# Altium PCB Scope.PcbDoc
Units mil, origin at the board's own origin, x right, y up, seen from the top; angles counter-clockwise.
Board outline 1496.06 x 1489.57 mil, 2 copper layers (Top Layer, Bottom Layer), stack 38.548 mil thick; 129 components, 82 nets, 426 pads, 166 vias.
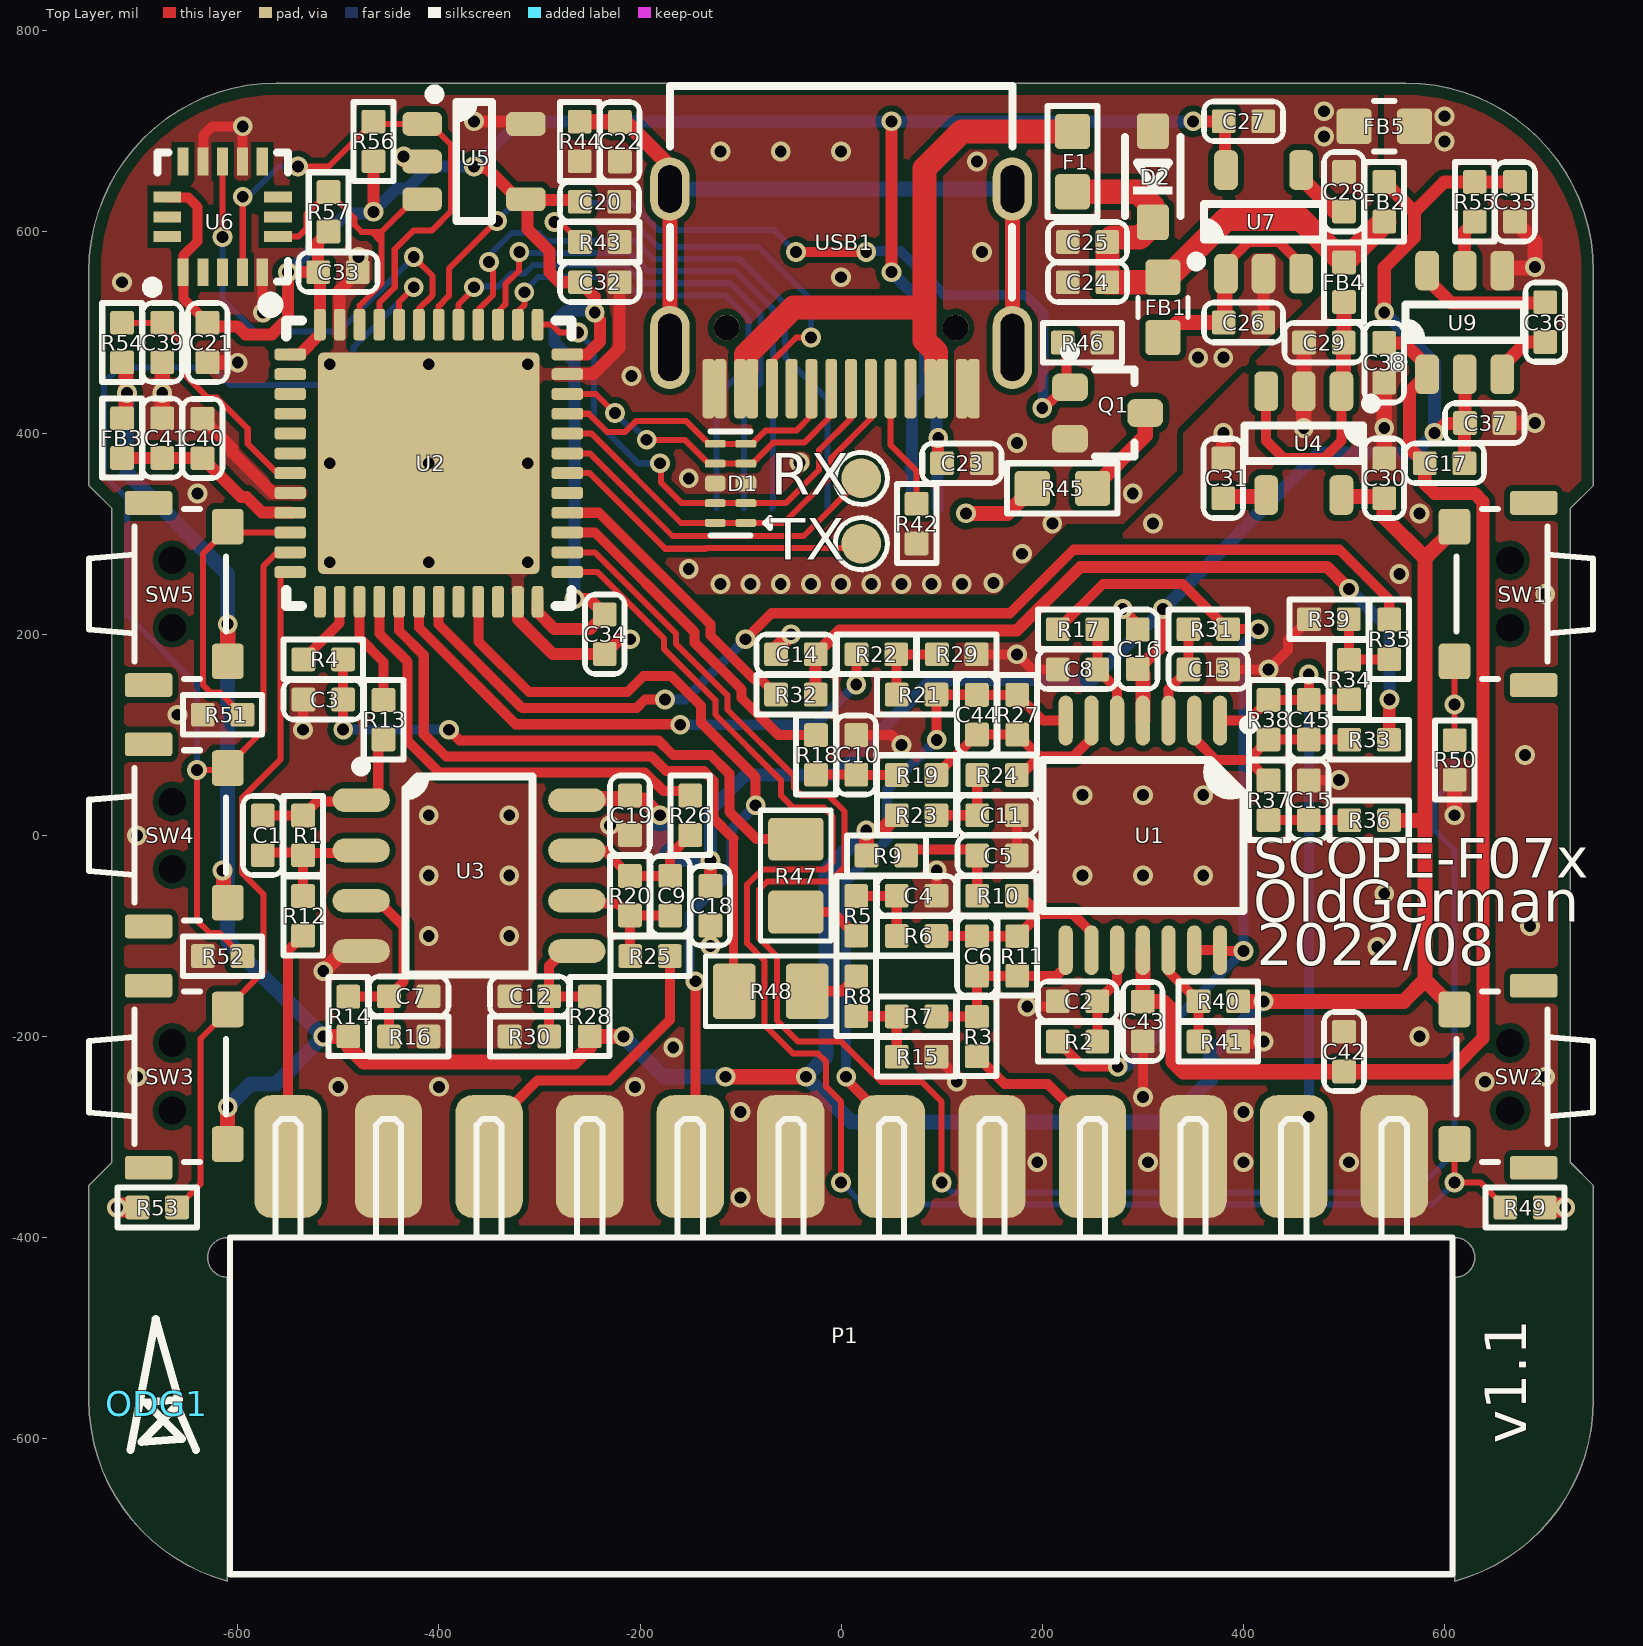
[diagram p0: Top Layer view]
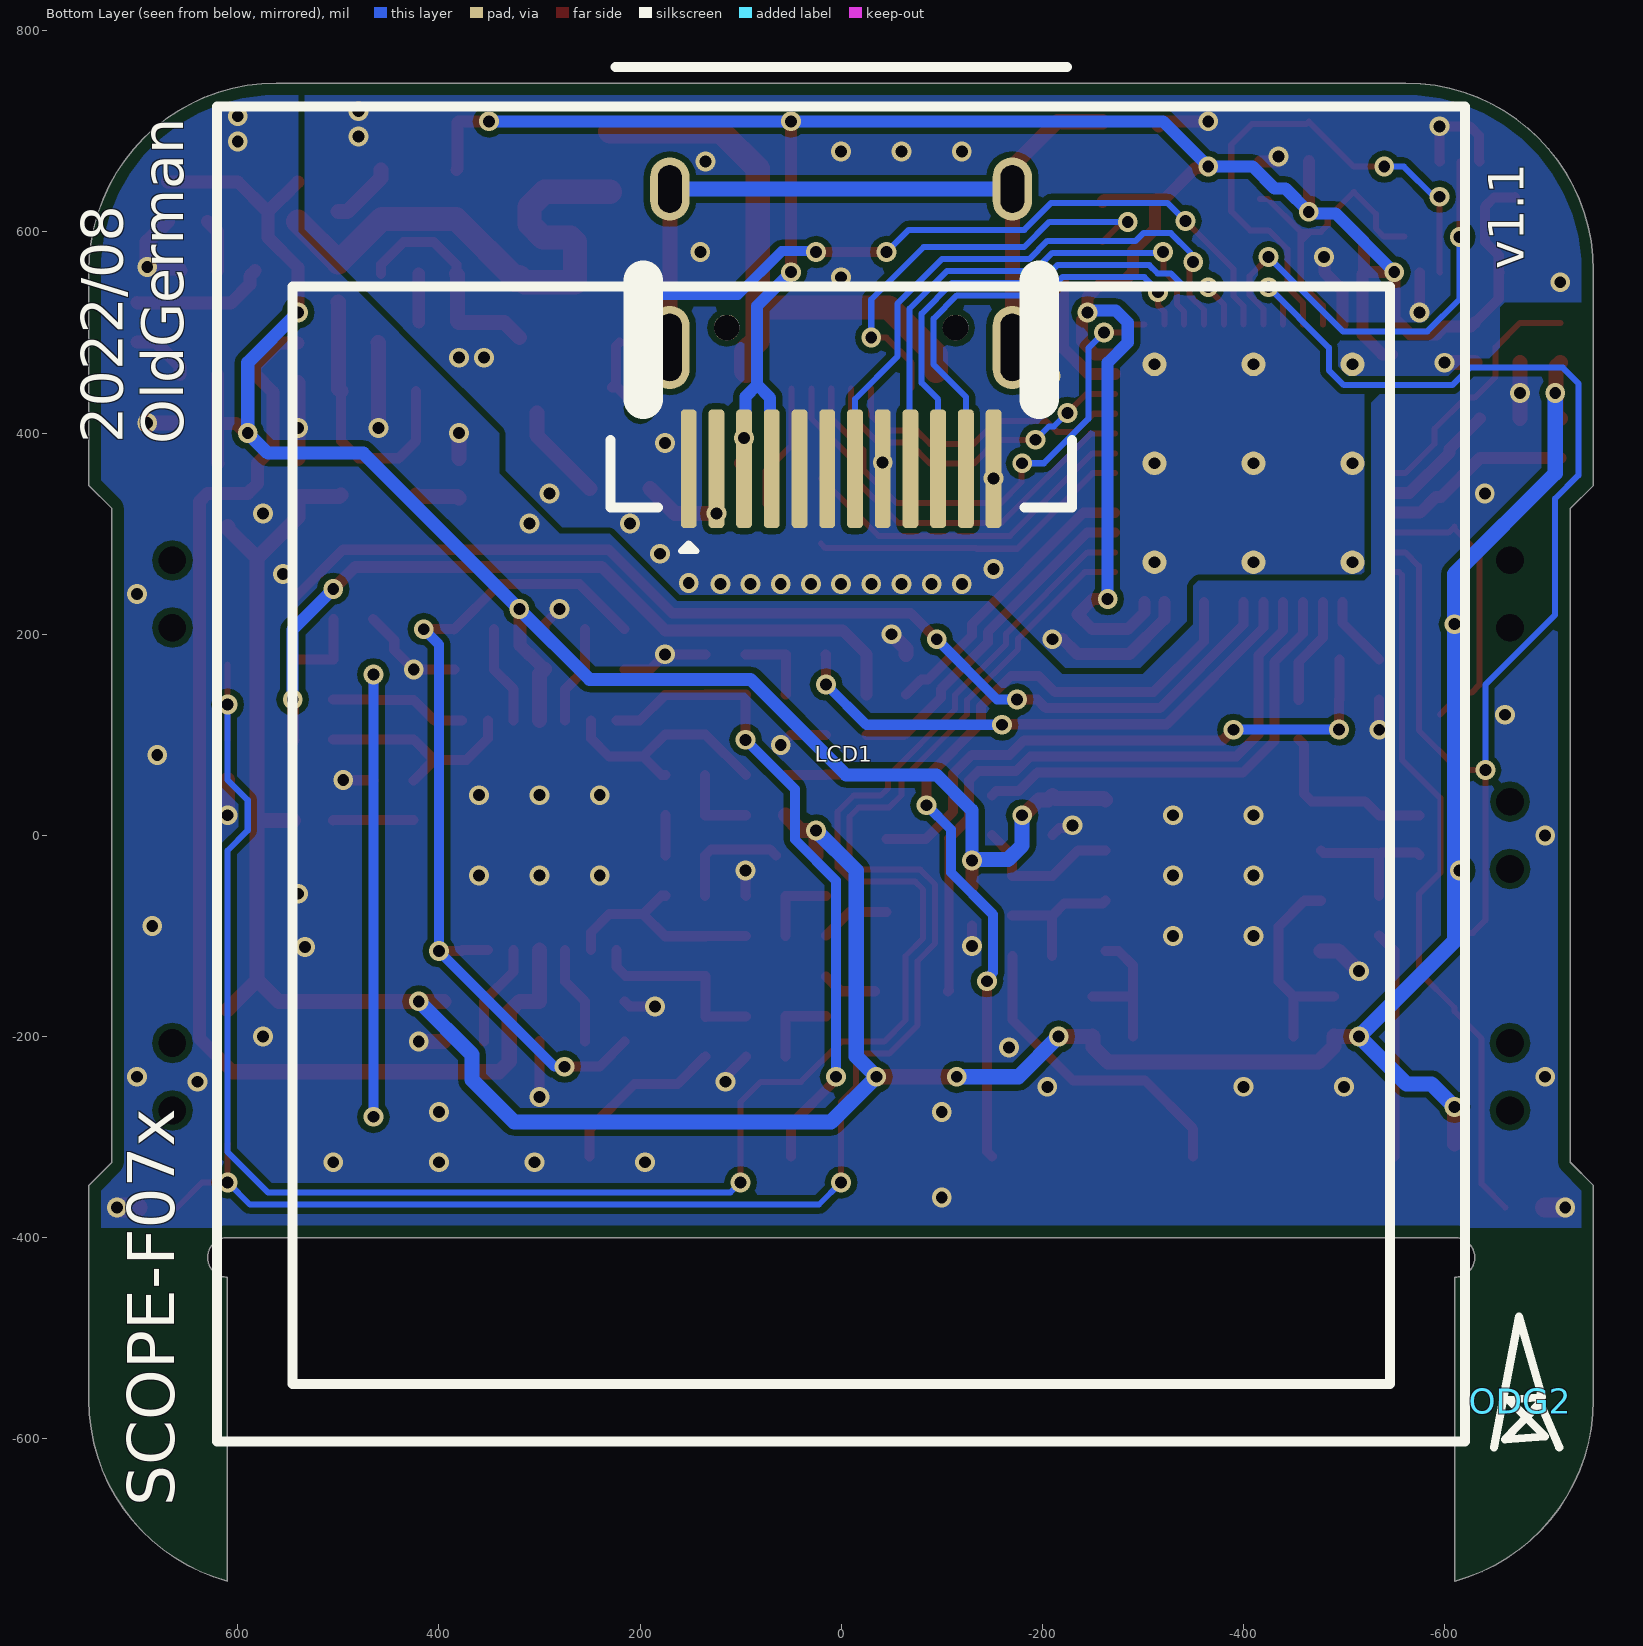
[diagram p1: Bottom Layer view, seen from below]
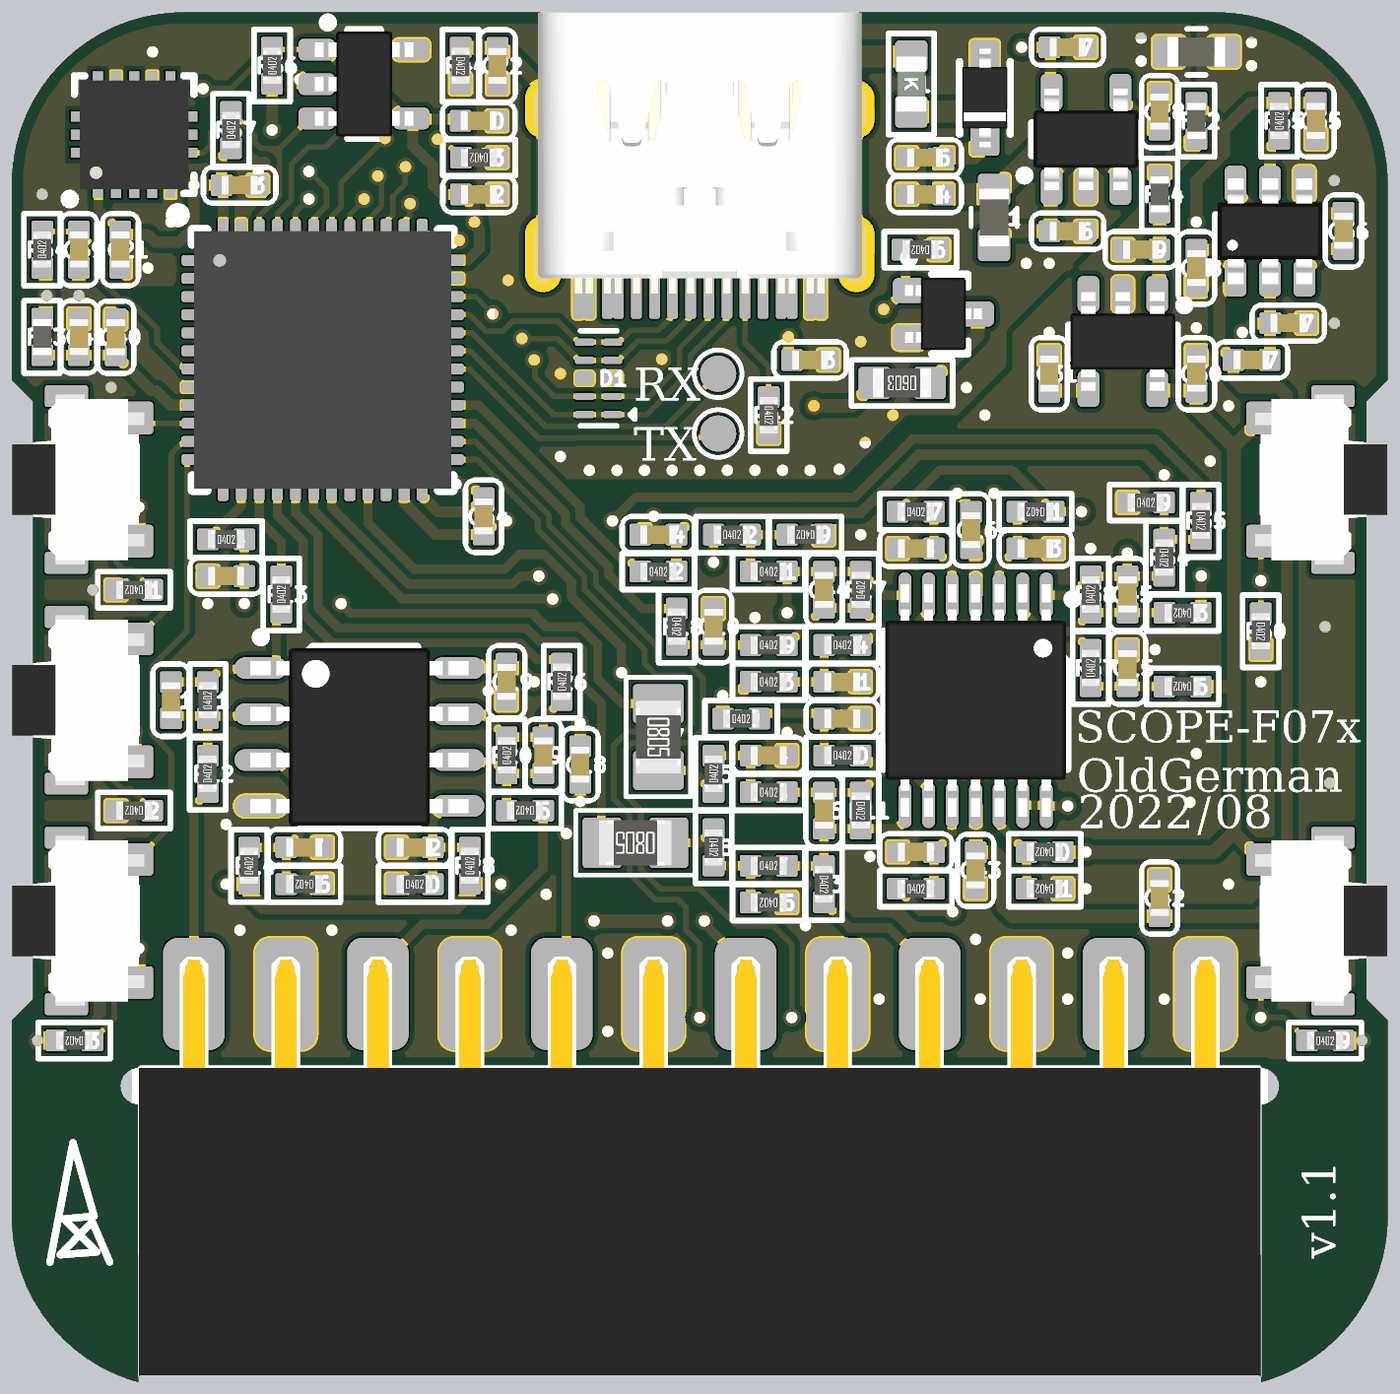
[diagram p2: 3D render of the assembled board from above, using the file's embedded part models]

## Layer stack, top to bottom
Top Solder: solder mask 0.4, Solder Resist, Dk 3.5
Top Layer: signal copper 1.4
Dielectric 1: dielectric 35.748, FR-4, Dk 4.8
Bottom Layer: signal copper 1.4
Bottom Solder: solder mask 0.4, Solder Resist, Dk 3.5

## Board outline
-610.24,-741.54 -610.24,-439.37 cw(c-610.24,-419.68) -610.24,-400 610.24,-400 cw(c610.24,-419.68) 610.24,-439.37 610.24,-741.54 ccw(c561.46,-561.46) 748.03,-561.42 748.03,-348.03 725,-325 725,325 748.03,348.03 748.03,561.42 ccw(c561.46,561.46) 561.42,748.03 -561.42,748.03 ccw(c-561.46,561.46) -748.03,561.42 -748.03,348.03 -725,325 -725,-325 -748.03,-348.03 -748.03,-561.42 ccw(c-561.46,-561.46)

## Design rules (kind name [scope] priority, off if disabled: settings)
BoardOutlineClearance [All] p1: gap=0 ignorepadtopadclearanceinfootprint=FALSE except(12: Poly-OutlineEdge Poly-CavityEdge Poly-CutoutEdge Poly-SplitBarrior Poly-SplitContinuation)
Clearance [All] p1: gap=6 ignorepadtopadclearanceinfootprint=FALSE except(0: Arc-Hole Track-Hole SMDPad-Hole THPad-Hole Via-Hole Fill-Hole Poly-Hole Region-Hole Text-Hole)
MinimumSolderMaskSliver [All] p1: minsoldermaskwidth=0
PolygonConnect [All] p1: connectstyle=Direct reliefconductorwidth=10 reliefentries=4 polygonreliefangle="90 Angle" airgapwidth=10
RoutingVias [All] p1: holewidth=11.81 width=19.68 viastyle="Through Hole" minholewidth=11.81 minwidth=19.68 maxholewidth=50 maxwidth=50
SilkToSilkClearance [All] p1: silktosilkclearance=0
SilkToSolderMaskClearance [IsPad] p1: minsilkscreentomaskgap=0 clearancetoexposedcopper=TRUE
SolderMaskExpansion [All] p1: expansion=2
Width [All] p1: maxlimit=100 minlimit=6 preferedwidth=6
27 further rules are at their usual default settings.

## Components (designator, comment, footprint, x,y, rotation, side; value= is the part's Value field where it differs from the comment)
C1 "0.5pF" C0402 -575,0 r270 top value=0.1u
C2 "1uF" C0402 235,-165 r180 top value=0.1u
C3 "150pF" C0402 -515,135 r0 top value=0.1u
C4 "150pF" C0402 75,-60 r180 top value=0.1u
C5 "1uF" C0402 155,-20 r180 top value=0.1u
C6 "39pF" C0402 135,-120 r90 top value=0.1u
C7 "4.7uF" C0402 -430,-160 r180 top value=0.1u
C8 "1uF" C0402 235,165 r180 top value=0.1u
C9 "0.5pF" C0402 -170,-60 r270 top value=0.1u
C10 "1uF" C0402 15,80 r270 top value=0.1u
C11 "1uF" C0402 155,20 r180 top value=0.1u
C12 "4.7uF" C0402 -310,-160 r0 top value=0.1u
C13 "1uF" C0402 365,165 r0 top value=0.1u
C14 "1uF" C0402 -45,180 r0 top value=0.1u
C15 "1uF" C0402 465,35 r270 top value=0.1u
C16 "100nF" C0402 295,185 r270 top value=0.1u
C17 "100nF" C0402 600,370 r0 top value=0.1u
C18 "10uF" C0402 -130,-70 r90 top value=0.1u
C19 "100nF" C0402 -210,20 r90 top value=0.1u
C20 "100nF" C0402 -240.32,630 r0 top value=0.1u
C21 "10uF" C0402 -630,490 r270 top value=0.1u
C22 "4.7nF" C0402 -220,689.69 r270 top value=0.1u
C23 "100nF" C0402 120,370 r180 top value=0.1u
C24 "10uF" C0402 245,550 r180 top value=0.1u
C25 "1uF" C0402 245,590 r180 top value=0.1u
C26 "10uF" C0402 400,510 r0 top value=0.1u
C27 "10uF" C0402 400,710 r0 top value=0.1u
C28 "DNP" C0402 500,640 r90 top value=0.1u
C29 "10uF" C0402 480,490 r180 top value=0.1u
C30 "10uF" C0402 540,355 r90 top value=0.1u
C31 "22nF" C0402 380,355 r90 top value=0.1u
C32 "100nF" C0402 -240,550 r0 top value=0.1u
C33 "100nF" C0402 -500.32,560 r0 top value=0.1u
C34 "100nF" C0402 -235,200 r270 top value=0.1u
C35 "10uF" C0402 670,630 r90 top value=0.1u
C36 "4.7uF" C0402 700,510.31 r90 top value=0.1u
C37 "4.7uF" C0402 640,410 r0 top value=0.1u
C38 "4.7uF" C0402 540,470 r270 top value=0.1u
C39 "100nF" C0402 -675,490 r270 top value=0.1u
C40 "1uF" C0402 -635,394.69 r90 top value=0.1u
C41 "10uF" C0402 -675,395 r90 top value=0.1u
C42 "10uF" C0402 500,-215 r270 top value=0.1u
C43 "100nF" C0402 300,-185 r90 top value=0.1u
C44 "DNP" C0402 135,120 r270 top value=0.1u
C45 "DNP" C0402 465,115 r270 top value=0.1u
D1 "PESD1LVDS" DFN2510-10_SOT1165-1 -110,350 r90 top
D2 "SD05" SOD-323 310,655 r270 top
F1 "6V/500mA" FUSE0603_0.5MM 230,670 r270 top
FB1 "330R @100MHz" FER0603 320,525 r270 top
FB2 "220R @100MHz" FER0402 540,630 r270 top
FB3 "220R @100MHz" FER0402 -715,395 r270 top
FB4 "220R @100MHz" FER0402 500,550 r270 top
FB5 "330R @100MHz" FER0603 540,705 r0 top
LCD1 "LCD_240x240" LCD-240X240-1.54INCH_FLUSH_FRONT 0,0 r0 bottom locked
ODG1 "ODG_LOGO" ODG_LOGO -680.5,-565 r0 top
ODG2 "ODG_LOGO" ODG_LOGO -675,-562.5 r180 bottom
P1 "CONN_X12" 2.54MM_FEMALE_1x12_180H 0,-400 r180 top locked
Q1 "2N7002KW" "DIODES SOT-323-3" 265,420 r0 top
R1 "330K" R0402 -535,0 r90 top value=22R
R2 "1K" R0402 235,-205 r0 top value=22R
R3 "49.9R" R0402 135,-200 r270 top value=22R
R4 "536R" R0402 -515,175 r0 top value=22R
R5 "750R" R0402 15,-80 r90 top value=22R
R6 "270R" R0402 75,-100 r0 top value=22R
R7 "1K" R0402 75,-180 r0 top value=22R
R8 "10K" R0402 15,-160 r270 top value=22R
R9 "3.3K" R0402 45,-20 r0 top value=22R
R10 "1K" R0402 155,-60 r0 top value=22R
R11 "4.3K" R0402 175,-120 r270 top value=22R
R12 "1M" R0402 -535,-80 r90 top value=22R
R13 "100R" R0402 -455,115 r90 top value=22R
R14 "5.49K" R0402 -490,-180 r90 top value=22R
R15 "2K" R0402 75,-220 r180 top value=22R
R16 "3.3K" R0402 -430,-200 r180 top value=22R
R17 "1K" R0402 235,205 r0 top value=22R
R18 "3.3K" R0402 -25,80 r270 top value=22R
R19 "1.65K" R0402 75,60 r0 top value=22R
R20 "330K" R0402 -210,-60 r90 top value=22R
R21 "1K" R0402 75,140 r0 top value=22R
R22 "10K" R0402 35,180 r0 top value=22R
R23 "2K" R0402 75,20 r0 top value=22R
R24 "10K" R0402 155,60 r0 top value=22R
R25 "1M" R0402 -190,-120 r180 top value=22R
R26 "100R" R0402 -150,20 r90 top value=22R
R27 "12K" R0402 175,120 r90 top value=22R
R28 "5.49K" R0402 -250,-180 r90 top value=22R
R29 "2K" R0402 115,180 r180 top value=22R
R30 "3.3K" R0402 -310,-200 r0 top value=22R
R31 "1K" R0402 365,205 r180 top value=22R
R32 "3.3K" R0402 -45,140 r0 top value=22R
R33 "1.65K" R0402 525,95 r180 top value=22R
R34 "1K" R0402 505,155 r270 top value=22R
R35 "10K" R0402 545,195 r270 top value=22R
R36 "2K" R0402 525,15 r180 top value=22R
R37 "10K" R0402 425,35 r90 top value=22R
R38 "12K" R0402 425,115 r90 top value=22R
R39 "2K" R0402 485,215 r0 top value=22R
R40 "12K" R0402 375,-165 r180 top value=22R
R41 "12K" R0402 375,-205 r180 top value=22R
R42 "5.1K" R0402 75,310 r270 top value=22R
R43 "5.1K" R0402 -240,590 r180 top value=22R
R44 "1M" R0402 -260,690 r270 top value=22R
R45 "10R" R0603 220,345 r180 top value=22R
R46 "10K" R0402 240,490 r180 top value=22R
R47 "0R" R0805 -45,-40 r270 top value=22R
R48 "0R" R0805 -70,-155 r180 top value=22R
R49 "4.7K" R0402 680,-370 r0 top value=22R
R50 "4.7K" R0402 610,75 r270 top value=22R
R51 "4.7K" R0402 -615,120 r180 top value=22R
R52 "4.7K" R0402 -615,-120 r180 top value=22R
R53 "4.7K" R0402 -680,-370 r180 top value=22R
R54 "10K" R0402 -715,490 r90 top value=22R
R55 "10K" R0402 630,630 r90 top value=22R
R56 "4.7K" R0402 -465,690 r90 top value=22R
R57 "4.7K" R0402 -509.68,620 r90 top value=22R
SW1 "Button-2P+PAD" TACTILE_SWITCH_SMD_4.6x1.82x3.5mm_1TS003B 665,240 r270 top locked
SW2 "Button-2P+PAD" TACTILE_SWITCH_SMD_4.6x1.82x3.5mm_1TS003B 665,-240 r270 top locked
SW3 "Button-2P+PAD" TACTILE_SWITCH_SMD_4.6x1.82x3.5mm_1TS003B -665,-240 r90 top locked
SW4 "Button-2P+PAD" TACTILE_SWITCH_SMD_4.6x1.82x3.5mm_1TS003B -665,0 r90 top locked
SW5 "Button-2P+PAD" TACTILE_SWITCH_SMD_4.6x1.82x3.5mm_1TS003B -665,240 r90 top locked
U1 "OPA4197" "ON SEMI TSSOP-14 948G" 300,0 r270 top value=ADA4622
U2 "STM32F072CBU6" UFQFPN-48_7X7X0P55MM_VIA -410,370 r0 top
U3 "SGM8632" "ANALOG DEV SOIC-8 R8" -370,-40 r0 top
U4 "RT9193-33GB" "MICROCHIP SOT-23-5 OT" 460,390 r270 top
U5 "24Cxx_SOT23-5" "MICROCHIP SOT-23-5 OT" -365,670 r0 top
U6 "LIS3DH" LGA-16-3X3 -615,615 r90 top
U7 "ME6211C33M5G" "ANALOG TSOT-23-5 UJ-5" 420,610 r90 top
U9 "SGM3204YN6G/TR" "MICROCHIP SOT-23-6 M6" 620,510 r90 top
USB1 "Type-C" Type-C-TOP 0,745 r90 top locked

## Footprints (in the part's own frame and the unit in brackets; to place one, negate y for a bottom-side part, rotate by r counter-clockwise, add the part's x,y. Pads: shape width x height; smd on the part's side, far side on the other; paste and mask are expansions set on the pad)
2.54MM_FEMALE_1x12_180H [mm]
  rrect50% 1.7x3.1 smd: 1(-13.97,-2.05) 2(-11.43,-2.05) 3(-8.89,-2.05) 4(-6.35,-2.05) 5(-3.81,-2.05) 6(-1.27,-2.05) 7(1.27,-2.05) 8(3.81,-2.05) 9(6.35,-2.05) 10(8.89,-2.05) 11(11.43,-2.05) 12(13.97,-2.05)
  silkscreen extent -15.44,-3 15.44,8.5, body extent -15.49,-3 15.49,8.5, height 1.45
"ANALOG DEV SOIC-8 R8" [mm] "SOIC, 8-Leads, Body 4.90x3.90mm, Pitch 1.27mm, IPC Medium Density"
  oval 1.45x0.6 smd: 1(-2.725,1.905) 2(-2.725,0.635) 3(-2.725,-0.635) 4(-2.725,-1.905) 5(2.725,-1.905) 6(2.725,-0.635) 7(2.725,0.635) 8(2.725,1.905)
  silkscreen extent -2.85,-2.5 1.6,2.88, body extent -3.01,-2.45 3.01,2.45, height 1.5
"ANALOG TSOT-23-5 UJ-5" [mm] "SOT23, 5-Leads, Body 2.90x1.60mm, Pitch 0.95mm, IPC Medium Density"
  rrect50% 1x0.6 smd: 1(-1.31,0.95) 2(-1.31,0) 3(-1.31,-0.95) 4(1.31,-0.95) 5(1.31,0.95)
  silkscreen extent -1.12,-1.5 0.45,1.82, body extent -1.4,-1.45 1.4,1.45, height 1
C0402 [mm]
  rrect20% 0.6x0.6 smd: 1(-0.5,0) 2(0.5,0)
  silkscreen extent -1,-0.5 1,0.5, body extent -0.5,-0.26 0.5,0.26, height 0.52
DFN2510-10_SOT1165-1 [mm]
  rrect50% 0.2x0.525 smd: 1(-1,-0.387) 2(-0.5,-0.387) 4(0.5,-0.387) 5(1,-0.387) 6(1,0.387) 7(0.5,0.387) 9(-0.5,0.387) 10(-1,0.387)
  rrect50% 0.4x0.525 smd: 3(0,-0.388) 8(0,0.387)
  silkscreen extent -1.31,-1 1.31,0.5, body extent -1.25,-0.5 1.25,0.5, height 0.47
"DIODES SOT-323-3" [mm] "SOT323, 3-Leads, Body 2.00x2.10mm, Pitch 0.65mm, IPC Medium Density"
  rrect50% 0.9x0.7 smd: 1(-0.95,0.65) 2(-0.95,-0.65) 3(0.95,0)
  silkscreen extent -1.07,-1.1 0.67,1.67, body extent -1.06,-1 1.06,1, height 1
FER0402 [mm]
  rrect20% 0.6x0.6 smd: 1(-0.5,0) 2(0.5,0)
  silkscreen extent -1,-0.5 1,0.5, body extent -0.5,-0.26 0.5,0.26, height 0.52
FER0603 [mil]
  rrect25% 35x35 smd: 1(-30,0) 2(30,0)
  silkscreen extent -10,-25 10,25, body extent -31,-16 32,16, height 32
FUSE0603_0.5MM [mil]
  rrect25% 35x35 smd: 1(-30,0) 2(30,0)
  silkscreen extent -55,-25 55,25, body extent -30,-17 30,17, height 23
LCD-240X240-1.54INCH_FLUSH_FRONT [mm]
  rrect50% 0.4x3 smd: 1(3.851,-9.26) 2(3.151,-9.26) 3(2.451,-9.26) 4(1.751,-9.26) 5(1.051,-9.26) 6(0.351,-9.26) 7(-0.349,-9.26) 8(-1.049,-9.26) 9(-1.749,-9.26) 10(-2.449,-9.26) 11(-3.149,-9.26) 12(-3.849,-9.26)
  silkscreen extent -15.76,-19.41 15.76,15.31, body extent -15.7,-18.47 15.7,15.31
LGA-16-3X3 [mm]
  rect 0.7x0.28 smd: 1(-1.4,1) 2(-1.4,0.5) 3(-1.4,0) 4(-1.4,-0.5) 5(-1.4,-1) 9(1.4,-1) 10(1.4,-0.5) 11(1.4,0) 12(1.4,0.5) 13(1.4,1)
  rect 0.28x0.7 smd: 6(-0.5,-1.4) 7(0,-1.4) 8(0.5,-1.4) 14(0.5,1.4) 15(0,1.4) 16(-0.5,1.4)
  silkscreen extent -2.03,-1.65 1.62,2.03, body extent -1.5,-1.5 1.5,1.5, height 1.02
"MICROCHIP SOT-23-5 OT" [mm] "SOT23, 5-Leads, Body 2.90x2.70mm, Pitch 0.95mm, IPC Medium Density"
  rrect50% 1x0.6 smd: 1(-1.31,0.95) 2(-1.31,0) 3(-1.31,-0.95) 4(1.31,-0.95) 5(1.31,0.95)
  silkscreen extent -1.12,-1.5 0.45,1.82, body extent -1.36,-1.45 1.36,1.45, height 1.19
"MICROCHIP SOT-23-6 M6" [mm] "SOT23, 6-Leads, Body 2.90x2.80mm, Pitch 0.95mm, IPC Medium Density"
  rrect50% 1x0.6 smd: 1(-1.31,0.95) 2(-1.31,0) 3(-1.31,-0.95) 4(1.31,-0.95) 5(1.31,0) 6(1.31,0.95)
  silkscreen extent -1.12,-1.5 0.45,1.82, body extent -1.46,-1.45 1.46,1.45, height 1.45